# Altium PCB PCB3.PcbDoc (part 2 of 5)
Units mil, origin at the board's own origin, x right, y up, seen from the top; angles counter-clockwise.
Board outline 6000 x 4000 mil, 2 copper layers (Top Layer, Bottom Layer); 340 components, 0 nets, 1296 pads, 308 vias.
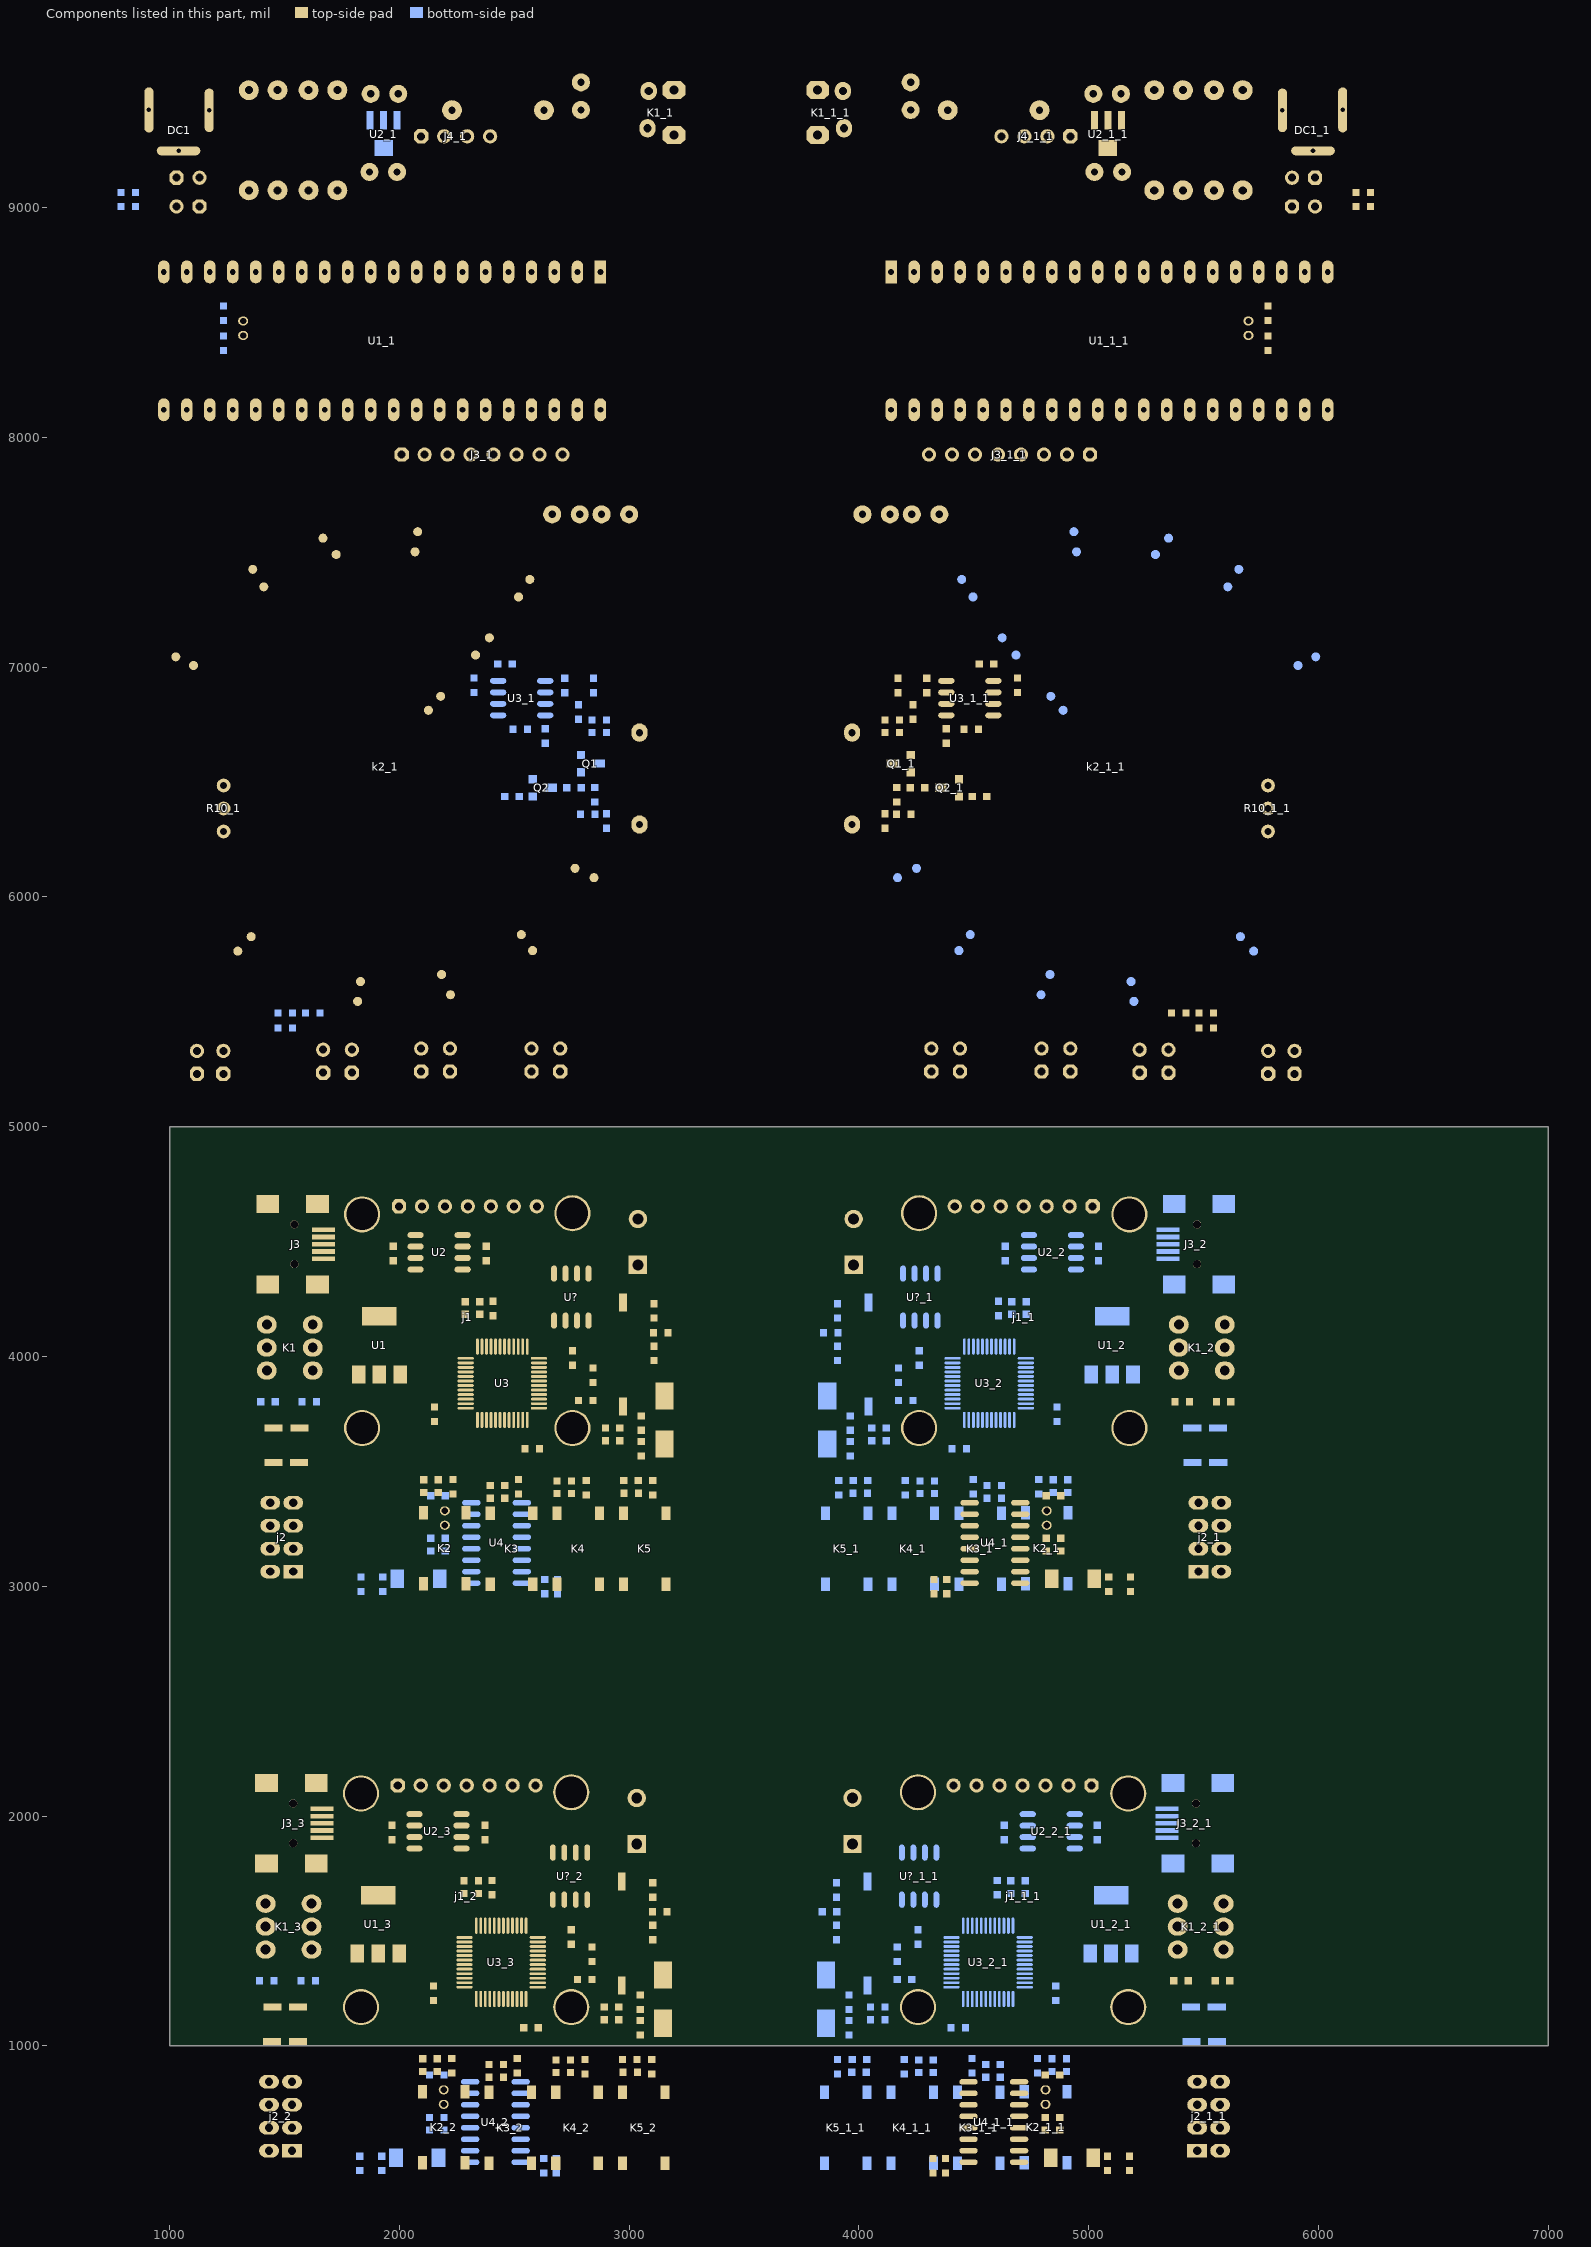
[diagram p2: the components of this part, seen from the top]

## Via types
v1: diameter 39.37, hole 19.68, Top Layer to Bottom Layer, 192 vias
v2: diameter 50, hole 28, Top Layer to Bottom Layer, 116 vias

## Nets (pads, with @x,y where several pads share a name; then routed paths per layer and width w, separated by ;. In a path a pad name is that pad's centre, name@x,y a point inside that pad or via, vN(x,y) a via of type N, cw(c..) or ccw(c..) an arc to the next point about the centre after c; other vN are vias at no path point) (continued)
copper on no net: | length 470544.2
  Top Layer w2: 3837,784 3849,784 ; 3837,786 3849,786 ; 3837,788 3849,788 ; 3837,790 3849,790 ; 3837,792 3849,792 ; 3837,794 3849,794 ; 3837,796 3849,796 ; 3837,798 3849,798 ; 3837,800 3849,800 ; 3837,802 3849,802 ; 3837,804 3849,804 ; 3837,806 3849,806 ; 3837,808 3849,808 ; 3837,810 3849,810 ; 3837,812 3849,812 ; 3837,814 3849,814 ; 3837,816 3849,816 ; 3837,818 3849,818 ; 3839,770 3851,770 ; 3839,772 3851,772 ; 3839,774 3851,774 ; 3839,776 3849,776 ; 3839,778 3849,778 ; 3839,780 3849,780 ; 3839,782 3849,782 ; 3839,820 3849,820 ; 3839,822 3849,822 ; 3839,824 3849,824 ; 3839,826 3849,826 ; 3839,828 3851,828 ; 3839,830 3851,830 ; 3839,832 3851,832 ; 3839,834 3851,834 ; 3841,760 3853,760 ; 3841,762 3853,762 ; 3841,764 3851,764 ; 3841,766 3851,766 ; 3841,768 3851,768 ; 3841,836 3851,836 ; 3841,838 3851,838 ; 3841,840 3853,840 ; 3841,842 3853,842 ; 3841,844 3853,844 ; 3842,3304 3854,3304 ; 3842,3306 3854,3306 ; 3842,3308 3854,3308 ; 3842,3310 3854,3310 ; 3842,3312 3854,3312 ; 3842,3314 3854,3314 ; 3842,3316 3854,3316 ; 3842,3318 3854,3318 ; 3842,3320 3854,3320 ; 3842,3322 3854,3322 ; 3842,3324 3854,3324 ; 3842,3326 3854,3326 ; 3842,3328 3854,3328 ; 3842,3330 3854,3330 ; 3842,3332 3854,3332 ; 3842,3334 3854,3334 ; 3842,3336 3854,3336 ; 3842,3338 3854,3338 ; 3843,752 3855,752 ; 3843,754 3855,754 ; 3843,756 3855,756 ; 3843,758 3853,758 ; 3843,846 3853,846 ; 3843,848 3853,848 ; 3843,850 3855,850 ; 3843,852 3855,852 ; 3844,3290 3856,3290 ; 3844,3292 3856,3292 ; 3844,3294 3856,3294 ; 3844,3296 3854,3296 ; 3844,3298 3854,3298 ; 3844,3300 3854,3300 ; 3844,3302 3854,3302 ; 3844,3340 3854,3340 ; 3844,3342 3854,3342 ; 3844,3344 3854,3344 ; 3844,3346 3854,3346 ; 3844,3348 3856,3348 ; 3844,3350 3856,3350 ; 3844,3352 3856,3352 ; 3844,3354 3856,3354 ; 3845,746 3857,746 ; 3845,748 3855,748 ; 3845,750 3855,750 ; 3845,854 3855,854 ; 3845,856 3855,856 ; 3845,858 3857,858 ; 3845,860 3857,860 ; 3846,3280 3858,3280 ; 3846,3282 3858,3282 ; 3846,3284 3856,3284 ; 3846,3286 3856,3286 ; 3846,3288 3856,3288 ; 3846,3356 3856,3356 ; 3846,3358 3856,3358 ; 3846,3360 3858,3360 ; 3846,3362 3858,3362 ; 3846,3364 3858,3364 ; 3847,740 3859,740 ; 3847,742 3857,742 ; 3847,744 3857,744 ; 3847,862 3857,862 ; 3847,864 3859,864 ; 3847,866 3859,866 ; 3848,3272 3860,3272 ; 3848,3274 3860,3274 ; 3848,3276 3860,3276 ; 3848,3278 3858,3278 ; 3848,3366 3858,3366 ; 3848,3368 3858,3368 ; 3848,3370 3860,3370 ; 3848,3372 3860,3372 ; 3849,734 3861,734 ; 3849,736 3861,736 ; 3849,738 3859,738 ; 3849,868 3859,868 ; 3849,870 3861,870 ; 3849,872 3861,872 ; 3850,3266 3862,3266 ; 3850,3268 3860,3268 ; 3850,3270 3860,3270 ; 3850,3374 3860,3374 ; 3850,3376 3860,3376 ; 3850,3378 3862,3378 ; 3850,3380 3862,3380 ; 3851,728 3863,728 ; 3851,730 3863,730 ; 3851,732 3861,732 ; 3851,874 3861,874 ; 3851,876 3863,876 ; 3851,878 3863,878 ; 3852,3260 3864,3260 ; 3852,3262 3862,3262 ; 3852,3264 3862,3264 ; 3852,3382 3862,3382 ; 3852,3384 3864,3384 ; 3852,3386 3864,3386 ; 3853,724 3865,724 ; 3853,726 3865,726 ; 3853,880 3865,880 ; 3853,882 3865,882 ; 3854,3254 3866,3254 ; 3854,3256 3866,3256 ; 3854,3258 3864,3258 ; 3854,3388 3864,3388 ; 3854,3390 3866,3390 ; 3854,3392 3866,3392 ; 3855,718 3867,718 ; 3855,720 3867,720 ; 3855,722 3867,722 ; 3855,884 3867,884 ; 3855,886 3867,886 ; 3856,3248 3868,3248 ; 3856,3250 3868,3250 ; 3856,3252 3866,3252 ; 3856,3394 3866,3394 ; 3856,3396 3868,3396 ; 3856,3398 3868,3398 ; 3857,714 3869,714 ; 3857,716 3869,716 ; 3857,888 3869,888 ; 3857,890 3869,890 ; 3858,3244 3870,3244 ; 3858,3246 3870,3246 ; 3858,3400 3870,3400 ; 3858,3402 3870,3402 ; 3859,710 3871,710 ; 3859,712 3871,712 ; 3859,892 3871,892 ; 3859,894 3871,894 ; 3860,3238 3872,3238 ; 3860,3240 3872,3240 ; 3860,3242 3872,3242 ; 3860,3404 3872,3404 ; 3860,3406 3872,3406 ; 3861,706 3875,706 ; 3861,708 3873,708 ; 3861,896 3873,896 ; 3861,898 3873,898 ; 3862,3234 3874,3234 ; 3862,3236 3874,3236 ; 3862,3408 3874,3408 ; 3862,3410 3874,3410 ; 3863,702 3877,702 ; 3863,704 3875,704 ; 3863,900 3875,900 ; 3863,902 3877,902 ; 3864,3230 3876,3230 ; 3864,3232 3876,3232 ; 3864,3412 3876,3412 ; 3864,3414 3876,3414 ; 3865,700 3877,700 ; 3865,904 3879,904 ; 3866,3226 3880,3226 ; 3866,3228 3878,3228 ; 3866,3416 3878,3416 ; 3866,3418 3878,3418 ; 3867,696 3881,696 ; 3867,698 3879,698 ; 3867,906 3879,906 ; 3867,908 3881,908 ; 3868,3222 3882,3222 ; 3868,3224 3880,3224 ; 3868,3420 3880,3420 ; 3868,3422 3882,3422 ; 3869,692 3883,692 ; 3869,694 3881,694 ; 3869,910 3883,910 ; 3870,3220 3882,3220 ; 3870,3424 3884,3424 ; 3871,690 3885,690 ; 3871,912 3885,912 ; 3871,914 3887,914 ; 3872,3216 3886,3216 ; 3872,3218 3884,3218 ; 3872,3426 3884,3426 ; 3872,3428 3886,3428 ; 3873,686 3887,686 ; 3873,688 3885,688 ; 3873,916 3889,916 ; 3874,3212 3888,3212 ; 3874,3214 3886,3214 ; 3874,3430 3888,3430 ; 3875,684 3889,684 ; 3875,918 3891,918 ; 3876,3210 3890,3210 ; 3876,3432 3890,3432 ; 3876,3434 3892,3434 ; 3877,680 3891,680 ; 3877,682 3891,682 ; 3877,920 3891,920 ; 3878,3206 3892,3206 ; 3878,3208 3890,3208 ; 3878,3436 3894,3436 ; 3879,678 3893,678 ; 3879,922 3895,922 ; 3880,3204 3894,3204 ; 3880,3438 3896,3438 ; 3881,676 3895,676 ; 3881,924 3897,924 ; 3882,3200 3896,3200 ; 3882,3202 3896,3202 ; 3882,3440 3896,3440 ; 3883,672 3899,672 ; 3883,674 3897,674 ; 3883,926 3899,926 ; 3884,3198 3898,3198 ; 3884,3442 3900,3442 ; 3885,670 3899,670 ; 3885,928 3901,928 ; 3886,3196 3900,3196 ; 3886,3444 3902,3444 ; 3887,668 3901,668 ; 3887,930 3905,930 ; 3888,3192 3904,3192 ; 3888,3194 3902,3194 ; 3888,3446 3904,3446 ; 3889,666 3903,666 ; 3889,932 3907,932 ; 3890,3190 3904,3190 ; 3890,3448 3906,3448 ; 3891,664 3905,664 ; 3891,934 3909,934 ; 3892,3188 3906,3188 ; 3892,3450 3910,3450 ; 3893,662 3907,662 ; 3893,936 3913,936 ; 3894,3186 3908,3186 ; 3894,3452 3912,3452 ; 3895,660 3909,660 ; 3896,3184 3910,3184 ; 3896,3454 3914,3454 ; 3897,658 3911,658 ; 3897,938 3915,938 ; 3898,3182 3912,3182 ; 3898,3456 3918,3456 ; 3899,526 3909,526 ; 3899,528 3909,528 ; 3899,530 3909,530 ; 3899,532 3909,532 ; 3899,534 3909,534 ; 3899,536 3911,536 ; 3899,538 3911,538 ; 3899,540 3911,540 ; 3899,542 3911,542 ; 3899,656 3915,656 ; 3899,940 3919,940 ; 3900,3180 3914,3180 ; 3901,524 3907,524 ; 3901,544 3911,544 ; 3901,546 3911,546 ; 3901,548 3911,548 ; 3901,550 3911,550 ; 3901,552 3911,552 ; 3901,554 3913,554 ; 3901,556 3913,556 ; 3901,558 3913,558 ; 3901,560 3913,560 ; 3901,562 3913,562 ; 3901,654 3917,654 ; 3902,3178 3916,3178 ; 3902,3458 3920,3458 ; 3903,564 3913,564 ; 3903,566 3913,566 ; 3903,568 3913,568 ; 3903,570 3913,570 ; 3903,572 3915,572 ; 3903,574 3915,574 ; 3903,576 3915,576 ; 3903,652 3919,652 ; 3903,942 3923,942 ; 3904,3046 3914,3046 ; 3904,3048 3914,3048 ; 3904,3050 3914,3050 ; 3904,3052 3914,3052 ; 3904,3054 3914,3054 ; 3904,3056 3916,3056 ; 3904,3058 3916,3058 ; 3904,3060 3916,3060 ; 3904,3062 3916,3062 ; 3904,3176 3920,3176 ; 3904,3460 3924,3460 ; 3905,578 3915,578 ; 3905,580 3915,580 ; 3905,582 3915,582 ; 3905,584 3917,584 ; 3905,586 3917,586 ; 3905,588 3917,588 ; 3905,650 3921,650 ; 3905,944 3925,944 ; 3906,3044 3912,3044 ; 3906,3064 3916,3064 ; 3906,3066 3916,3066 ; 3906,3068 3916,3068 ; 3906,3070 3916,3070 ; 3906,3072 3916,3072 ; 3906,3074 3918,3074 ; 3906,3076 3918,3076 ; 3906,3078 3918,3078 ; 3906,3080 3918,3080 ; 3906,3082 3918,3082 ; 3906,3174 3922,3174 ; 3907,590 3917,590 ; 3907,592 3917,592 ; 3907,594 3919,594 ; 3907,596 3919,596 ; 3907,648 3925,648 ; 3907,946 3929,946 ; 3908,3084 3918,3084 ; 3908,3086 3918,3086 ; 3908,3088 3918,3088 ; 3908,3090 3918,3090 ; 3908,3092 3920,3092 ; 3908,3094 3920,3094 ; 3908,3096 3920,3096 ; 3908,3172 3924,3172 ; 3908,3462 3928,3462 ; 3909,598 3919,598 ; 3909,600 3919,600 ; 3909,602 3919,602 ; 3909,604 3921,604 ; 3909,606 3921,606 ; 3909,646 3927,646 ; 3909,824 3921,824 ; 3909,826 3921,826 ; 3909,828 3921,828 ; 3909,830 3921,830 ; 3909,832 3921,832 ; 3909,834 3921,834 ; 3910,3098 3920,3098 ; 3910,3100 3920,3100 ; 3910,3102 3920,3102 ; 3910,3104 3922,3104 ; 3910,3106 3922,3106 ; 3910,3108 3922,3108 ; 3910,3170 3926,3170 ; 3910,3464 3930,3464 ; 3911,608 3921,608 ; 3911,610 3923,610 ; 3911,612 3923,612 ; 3911,644 3929,644 ; 3911,814 3923,814 ; 3911,816 3923,816 ; 3911,818 3923,818 ; 3911,820 3921,820 ; 3911,822 3921,822 ; 3911,836 3921,836 ; 3911,838 3921,838 ; 3911,840 3923,840 ; 3911,842 3923,842 ; 3911,948 3935,948 ; 3912,3110 3922,3110 ; 3912,3112 3922,3112 ; 3912,3114 3924,3114 ; 3912,3116 3924,3116 ; 3912,3168 3930,3168 ; 3912,3466 3934,3466 ; 3913,614 3923,614 ; 3913,616 3925,616 ; 3913,618 3925,618 ; 3913,620 3925,620 ; 3913,642 3931,642 ; 3913,808 3925,808 ; 3913,810 3925,810 ; 3913,812 3923,812 ; 3913,844 3923,844 ; 3913,846 3925,846 ; 3913,848 3925,848 ; 3914,3118 3924,3118 ; 3914,3120 3924,3120 ; 3914,3122 3924,3122 ; 3914,3124 3926,3124 ; 3914,3126 3926,3126 ; 3914,3166 3932,3166 ; 3914,3344 3926,3344 ; 3914,3346 3926,3346 ; 3914,3348 3926,3348 ; 3914,3350 3926,3350 ; 3914,3352 3926,3352 ; 3914,3354 3926,3354 ; 3915,622 3927,622 ; 3915,624 3927,624 ; 3915,804 3927,804 ; 3915,806 3927,806 ; 3915,850 3927,850 ; 3915,852 3929,852 ; 3915,950 3939,950 ; 3916,3128 3926,3128 ; 3916,3130 3928,3130 ; 3916,3132 3928,3132 ; 3916,3164 3934,3164 ; 3916,3334 3928,3334 ; 3916,3336 3928,3336 ; 3916,3338 3928,3338 ; 3916,3340 3926,3340 ; 3916,3342 3926,3342 ; 3916,3356 3926,3356 ; 3916,3358 3926,3358 ; 3916,3360 3928,3360 ; 3916,3362 3928,3362 ; 3916,3468 3940,3468 ; 3917,626 3927,626 ; 3917,628 3929,628 ; 3917,630 3929,630 ; 3917,640 3931,640 ; 3917,800 3929,800 ; 3917,802 3929,802 ; 3917,854 3931,854 ; 3918,3134 3928,3134 ; 3918,3136 3930,3136 ; 3918,3138 3930,3138 ; 3918,3140 3930,3140 ; 3918,3162 3936,3162 ; 3918,3328 3930,3328 ; 3918,3330 3930,3330 ; 3918,3332 3928,3332 ; 3918,3364 3928,3364 ; 3918,3366 3930,3366 ; 3918,3368 3930,3368 ; 3919,632 3929,632 ; 3919,634 3931,634 ; 3919,636 3931,636 ; 3919,638 3931,638 ; 3919,796 3933,796 ; 3919,798 3931,798 ; 3919,856 3931,856 ; 3919,858 3933,858 ; 3919,952 3943,952 ; 3920,3142 3932,3142 ; 3920,3144 3932,3144 ; 3920,3324 3932,3324 ; 3920,3326 3932,3326 ; 3920,3370 3932,3370 ; 3920,3372 3934,3372 ; 3920,3470 3944,3470 ; 3921,792 3937,792 ; 3921,794 3935,794 ; 3921,860 3935,860 ; 3921,954 3947,954 ; 3922,3146 3932,3146 ; 3922,3148 3934,3148 ; 3922,3150 3934,3150 ; 3922,3160 3936,3160 ; 3922,3320 3934,3320 ; 3922,3322 3934,3322 ; 3922,3374 3936,3374 ; 3923,790 3939,790 ; 3923,862 3939,862 ; 3924,3152 3934,3152 ; 3924,3154 3936,3154 ; 3924,3156 3936,3156 ; 3924,3158 3936,3158 ; 3924,3316 3938,3316 ; 3924,3318 3936,3318 ; 3924,3376 3936,3376 ; 3924,3378 3938,3378 ; 3924,3472 3948,3472 ; 3925,788 3943,788 ; 3925,864 3941,864 ; 3925,956 3953,956 ; 3926,3312 3942,3312 ; 3926,3314 3940,3314 ; 3926,3380 3940,3380 ; 3926,3474 3952,3474 ; 3927,786 3945,786 ; 3927,866 3943,866 ; 3928,3310 3944,3310 ; 3928,3382 3944,3382 ; 3929,784 3949,784 ; 3929,868 3947,868 ; 3929,958 3959,958 ; 3930,3308 3948,3308 ; 3930,3384 3946,3384 ; 3930,3476 3958,3476 ; 3931,782 3955,782 ; 3931,870 3951,870 ; 3932,3306 3950,3306 ; 3932,3386 3948,3386 ; 3933,872 3957,872 ; 3933,960 3965,960 ; 3934,3304 3954,3304 ; 3934,3388 3952,3388 ; 3934,3478 3964,3478 ; 3935,780 3967,780 ; 3935,874 4011,874 ; 3936,3302 3960,3302 ; 3936,3390 3956,3390 ; 3937,778 4007,778 ; 3938,3392 3962,3392 ; 3938,3480 3970,3480 ; 3939,876 4007,876 ; 3939,962 3973,962 ; 3940,3300 3972,3300 ; 3940,3394 4016,3394 ; 3941,776 4003,776 ; 3942,3298 4012,3298 ; 3943,878 4003,878 ; 3943,964 3981,964 ; 3944,3396 4012,3396 ; 3944,3482 3978,3482 ; 3945,774 3999,774 ; 3946,3296 4008,3296 ; 3947,880 3997,880 ; 3948,3398 4008,3398 ; 3948,3484 3986,3484 ; 3949,966 3989,966 ; 3950,3294 4004,3294 ; 3951,772 3993,772 ; 3952,3400 4002,3400 ; 3953,882 3991,882 ; 3954,3486 3994,3486 ; 3955,968 4001,968 ; 3956,3292 3998,3292 ; 3958,3402 3996,3402 ; 3959,770 3985,770 ; 3960,3488 4006,3488 ; 3961,970 4019,970 ; 3963,884 3979,884 ; 3964,3290 3990,3290 ; 3966,3490 4024,3490 ; 3967,972 4125,972 ; 3968,3404 3984,3404 ; 3969,850 4015,850 ; 3969,852 4029,852 ; 3969,854 4027,854 ; 3969,856 4027,856 ; 3969,858 4025,858 ; 3969,860 4025,860 ; 3971,848 4015,848 ; 3971,862 4023,862 ; 3971,864 4021,864 ; 3972,3492 4130,3492 ; 3973,846 4015,846 ; 3973,866 4019,866 ; 3974,3370 4020,3370 ; 3974,3372 4034,3372 ; 3974,3374 4032,3374 ; 3974,3376 4032,3376 ; 3974,3378 4030,3378 ; 3974,3380 4030,3380 ; 3975,844 4013,844 ; 3975,868 4017,868 ; 3975,974 4119,974 ; 3976,3368 4020,3368 ; 3976,3382 4028,3382 ; 3976,3384 4026,3384 ; 3977,842 4011,842 ; 3977,870 4015,870 ; 3978,3366 4020,3366 ; 3978,3386 4024,3386 ; 3979,728 3997,728 ; 3979,730 3995,730 ; 3979,732 3991,732 ; 3979,840 4009,840 ; 3980,3364 4018,3364 ; 3980,3388 4022,3388 ; 3980,3494 4124,3494 ; 3981,726 3999,726 ; 3981,734 3989,734 ; 3981,780 4009,780 ; 3981,872 4013,872 ; 3982,3362 4016,3362 ; 3982,3390 4020,3390 ; 3983,724 4003,724 ; 3983,838 4005,838 ; 3984,3248 4002,3248 ; 3984,3250 4000,3250 ; 3984,3252 3996,3252 ; 3984,3360 4014,3360 ; 3985,976 4111,976 ; 3986,3246 4004,3246 ; 3986,3254 3994,3254 ; 3986,3300 4014,3300 ; 3986,3392 4018,3392 ; 3987,722 4007,722 ; 3987,836 3997,836 ; 3988,3244 4008,3244 ; 3988,3358 4010,3358 ; 3989,720 4009,720 ; 3989,782 4011,782 ; 3990,3496 4116,3496 ; 3992,3242 4012,3242 ; 3992,3356 4002,3356 ; 3993,718 4013,718 ; 3993,978 4103,978 ; 3994,3240 4014,3240 ; 3994,3302 4016,3302 ; 3995,716 4017,716 ; 3995,784 4015,784 ; 3997,714 4023,714 ; 3998,3238 4018,3238 ; 3998,3498 4108,3498 ; 3999,786 4017,786 ; 4000,3236 4022,3236 ; 4000,3304 4020,3304 ; 4001,788 4019,788 ; 4002,3234 4028,3234 ; 4003,712 4029,712 ; 4004,3306 4022,3306 ; 4005,710 4035,710 ; 4005,790 4021,790 ; 4006,3308 4024,3308 ; 4007,792 4021,792 ; 4008,3232 4034,3232 ; 4009,708 4047,708 ; 4009,794 4023,794 ; 4009,980 4091,980 ; 4010,3230 4040,3230 ; 4010,3310 4026,3310 ; 4011,796 4025,796 ; 4012,3312 4026,3312 ; 4013,706 4099,706 ; 4013,798 4025,798 ; 4014,3228 4052,3228 ; 4014,3314 4028,3314 ; 4014,3500 4096,3500 ; 4015,800 4027,800 ; 4015,802 4027,802 ; 4016,3316 4030,3316 ; 4017,804 4029,804 ; 4017,806 4029,806 ; 4017,850 4029,850 ; 4018,3226 4104,3226 ; 4018,3318 4030,3318 ; 4019,704 4095,704 ; 4019,808 4029,808 ; 4019,810 4031,810 ; 4019,812 4031,812 ; 4019,844 4031,844 ; 4019,846 4031,846 ; 4019,848 4031,848 ; 4020,3320 4032,3320 ; 4020,3322 4032,3322 ; 4021,814 4031,814 ; 4021,816 4033,816 ; 4021,818 4033,818 ; 4021,820 4033,820 ; 4021,822 4033,822 ; 4021,824 4033,824 ; 4021,826 4033,826 ; 4021,828 4033,828 ; 4021,830 4033,830 ; 4021,832 4033,832 ; 4021,834 4033,834 ; 4021,836 4033,836 ; 4021,838 4031,838 ; 4021,840 4031,840 ; 4021,842 4031,842 ; 4022,3324 4034,3324 ; 4022,3326 4034,3326 ; 4022,3370 4034,3370 ; 4024,3224 4100,3224 ; 4024,3328 4034,3328 ; 4024,3330 4036,3330 ; 4024,3332 4036,3332 ; 4024,3364 4036,3364 ; 4024,3366 4036,3366 ; 4024,3368 4036,3368 ; 4025,702 4089,702 ; 4026,3334 4036,3334 ; 4026,3336 4038,3336 ; 4026,3338 4038,3338 ; 4026,3340 4038,3340 ; 4026,3342 4038,3342 ; 4026,3344 4038,3344 ; 4026,3346 4038,3346 ; 4026,3348 4038,3348 ; 4026,3350 4038,3350 ; 4026,3352 4038,3352 ; 4026,3354 4038,3354 ; 4026,3356 4038,3356 ; 4026,3358 4036,3358 ; 4026,3360 4036,3360 ; 4026,3362 4036,3362 ; 4030,3222 4094,3222 ; 4031,700 4083,700 ; 4031,982 4077,982 ; 4036,3220 4088,3220 ; 4036,3502 4082,3502 ; 4039,698 4073,698 ; 4044,3218 4078,3218 ; 4067,708 4105,708 ; 4072,3228 4110,3228 ; 4077,710 4109,710 ; 4081,818 4093,818 ; 4081,820 4093,820 ; 4081,822 4093,822 ; 4081,824 4093,824 ; 4081,826 4091,826 ; 4081,828 4091,828 ; 4081,830 4091,830 ; 4081,832 4091,832 ; 4081,834 4091,834 ; 4081,836 4091,836 ; 4081,838 4091,838 ; 4081,840 4093,840 ; 4081,842 4093,842 ; 4081,844 4093,844 ; 4082,3230 4114,3230 ; 4083,812 4137,812 ; 4083,814 4137,814 ; 4083,816 4093,816 ; 4083,846 4093,846 ; 4083,848 4093,848 ; 4083,850 4095,850 ; 4083,852 4095,852 ; 4085,712 4113,712 ; 4085,806 4139,806 ; 4085,808 4137,808 ; 4085,810 4137,810 ; 4085,854 4097,854 ; 4085,856 4097,856 ; 4085,858 4099,858 ; 4085,970 4131,970 ; 4086,3338 4098,3338 ; 4086,3340 4098,3340 ; 4086,3342 4098,3342 ; 4086,3344 4098,3344 ; 4086,3346 4096,3346 ; 4086,3348 4096,3348 ; 4086,3350 4096,3350 ; 4086,3352 4096,3352 ; 4086,3354 4096,3354 ; 4086,3356 4096,3356 ; 4086,3358 4096,3358 ; 4086,3360 4098,3360 ; 4086,3362 4098,3362 ; 4086,3364 4098,3364 ; 4087,802 4139,802 ; 4087,804 4139,804 ; 4087,860 4099,860 ; 4088,3332 4142,3332 ; 4088,3334 4142,3334 ; 4088,3336 4098,3336 ; 4088,3366 4098,3366 ; 4088,3368 4098,3368 ; 4088,3370 4100,3370 ; 4088,3372 4100,3372 ; 4089,800 4139,800 ; 4089,862 4101,862 ; 4089,864 4103,864 ; 4090,3232 4118,3232 ; 4090,3326 4144,3326 ; 4090,3328 4142,3328 ; 4090,3330 4142,3330 ; 4090,3374 4102,3374 ; 4090,3376 4102,3376 ; 4090,3378 4104,3378 ; 4090,3490 4136,3490 ; 4091,714 4115,714 ; 4091,796 4139,796 ; 4091,798 4139,798 ; 4091,866 4105,866 ; 4092,3322 4144,3322 ; 4092,3324 4144,3324 ; 4092,3380 4104,3380 ; 4093,794 4137,794 ; 4093,868 4107,868 ; 4093,870 4111,870 ; 4094,3320 4144,3320 ; 4094,3382 4106,3382 ; 4094,3384 4108,3384 ; 4095,716 4119,716 ; 4095,792 4137,792 ; 4095,872 4115,872 ; 4096,3234 4120,3234 ; 4096,3316 4144,3316 ; 4096,3318 4144,3318 ; 4096,3386 4110,3386 ; 4097,790 4135,790 ; 4097,816 4135,816 ; 4098,3314 4142,3314 ; 4098,3388 4112,3388 ; 4098,3390 4116,3390 ; 4099,718 4123,718 ; 4099,788 4135,788 ; 4099,818 4133,818 ; 4099,874 4121,874 ; 4099,968 4135,968 ; 4100,3236 4124,3236 ; 4100,3312 4142,3312 ; 4100,3392 4120,3392 ; 4101,786 4131,786 ; 4101,820 4131,820 ; 4101,876 4179,876 ; 4102,3310 4140,3310 ; 4102,3336 4140,3336 ; 4103,784 4131,784 ; 4103,878 4175,878 ; 4104,3238 4128,3238 ; 4104,3308 4140,3308 ; 4104,3338 4138,3338 ; 4104,3394 4126,3394 ; 4104,3488 4140,3488 ; 4105,720 4125,720 ; 4105,782 4177,782 ; 4105,822 4127,822 ; 4106,3306 4136,3306 ; 4106,3340 4136,3340 ; 4106,3396 4184,3396 ; 4107,880 4171,880 ; 4107,966 4139,966 ; 4108,3304 4136,3304 ; 4108,3398 4180,3398 ; 4109,722 4127,722 ; 4109,780 4175,780 ; 4110,3240 4130,3240 ; 4110,3302 4182,3302 ; 4110,3342 4132,3342 ; 4111,724 4129,724 ; 4111,824 4113,824 ; 4111,882 4167,882 ; 4112,3400 4176,3400 ; 4112,3486 4144,3486 ; 4113,778 4171,778 ; 4114,3242 4132,3242 ; 4114,3300 4180,3300 ; 4115,726 4131,726 ; 4115,964 4145,964 ; 4116,3244 4134,3244 ; 4116,3344 4118,3344 ; 4116,3402 4172,3402 ; 4117,728 4131,728 ; 4117,884 4159,884 ; 4118,3298 4176,3298 ; 4119,776 4165,776 ; 4120,3246 4136,3246 ; 4120,3484 4150,3484 ; 4121,730 4131,730 ; 4121,962 4149,962 ; 4122,3248 4136,3248 ; 4122,3404 4164,3404 ; 4123,732 4131,732 ; 4124,3296 4170,3296 ; 4125,774 4159,774 ; 4126,3250 4136,3250 ; 4126,3482 4154,3482 ; 4127,556 4139,556 ; 4127,560 4139,560 ; 4127,562 4139,562 ; 4127,564 4139,564 ; 4127,566 4139,566 ; 4127,568 4139,568 ; 4127,570 4139,570 ; 4127,572 4139,572 ; 4127,574 4139,574 ; 4127,576 4139,576 ; 4127,578 4139,578 ; 4127,580 4139,580 ; 4127,582 4139,582 ; 4127,584 4139,584 ; 4127,586 4139,586 ; 4127,588 4139,588 ; 4127,590 4139,590 ; 4127,592 4139,592 ; 4127,594 4139,594 ; 4127,596 4139,596 ; 4127,598 4139,598 ; 4127,600 4139,600 ; 4127,602 4139,602 ; 4127,604 4139,604 ; 4127,606 4139,606 ; 4127,608 4139,608 ; 4127,610 4139,610 ; 4127,612 4139,612 ; 4127,614 4139,614 ; 4127,616 4139,616 ; 4127,618 4139,618 ; 4127,620 4139,620 ; 4127,622 4139,622 ; 4127,624 4139,624 ; 4127,960 4153,960 ; 4128,3252 4136,3252 ; 4129,528 4139,528 ; 4129,530 4139,530 ; 4129,532 4139,532 ; 4129,534 4139,534 ; 4129,536 4139,536 ; 4129,538 4139,538 ; 4129,540 4139,540 ; 4129,542 4139,542 ; 4129,544 4139,544 ; 4129,546 4139,546 ; 4129,548 4139,548 ; 4129,550 4139,550 ; 4129,552 4139,552 ; 4129,554 4139,554 ; 4129,558 4139,558 ; 4129,626 4139,626 ; 4129,628 4139,628 ; 4129,630 4139,630 ; 4129,632 4139,632 ; 4129,634 4139,634 ; 4129,636 4139,636 ; 4129,638 4141,638 ; 4129,640 4145,640 ; 4129,886 4147,886 ; 4130,3294 4164,3294 ; 4131,526 4137,526 ; 4131,642 4149,642 ; 4131,644 4153,644 ; 4131,958 4155,958 ; 4132,3076 4144,3076 ; 4132,3080 4144,3080 ; 4132,3082 4144,3082 ; 4132,3084 4144,3084 ; 4132,3086 4144,3086 ; 4132,3088 4144,3088 ; 4132,3090 4144,3090 ; 4132,3092 4144,3092 ; 4132,3094 4144,3094 ; 4132,3096 